# Altium PCB 86型ZigBee智能插座板.PcbDoc
Units mm, origin at the board's own origin, x right, y up, seen from the top; angles counter-clockwise.
Board outline 56.21 x 60.21 mm, 2 copper layers (Top Layer, Bottom Layer); 34 components, 29 nets, 121 pads, 103 vias.
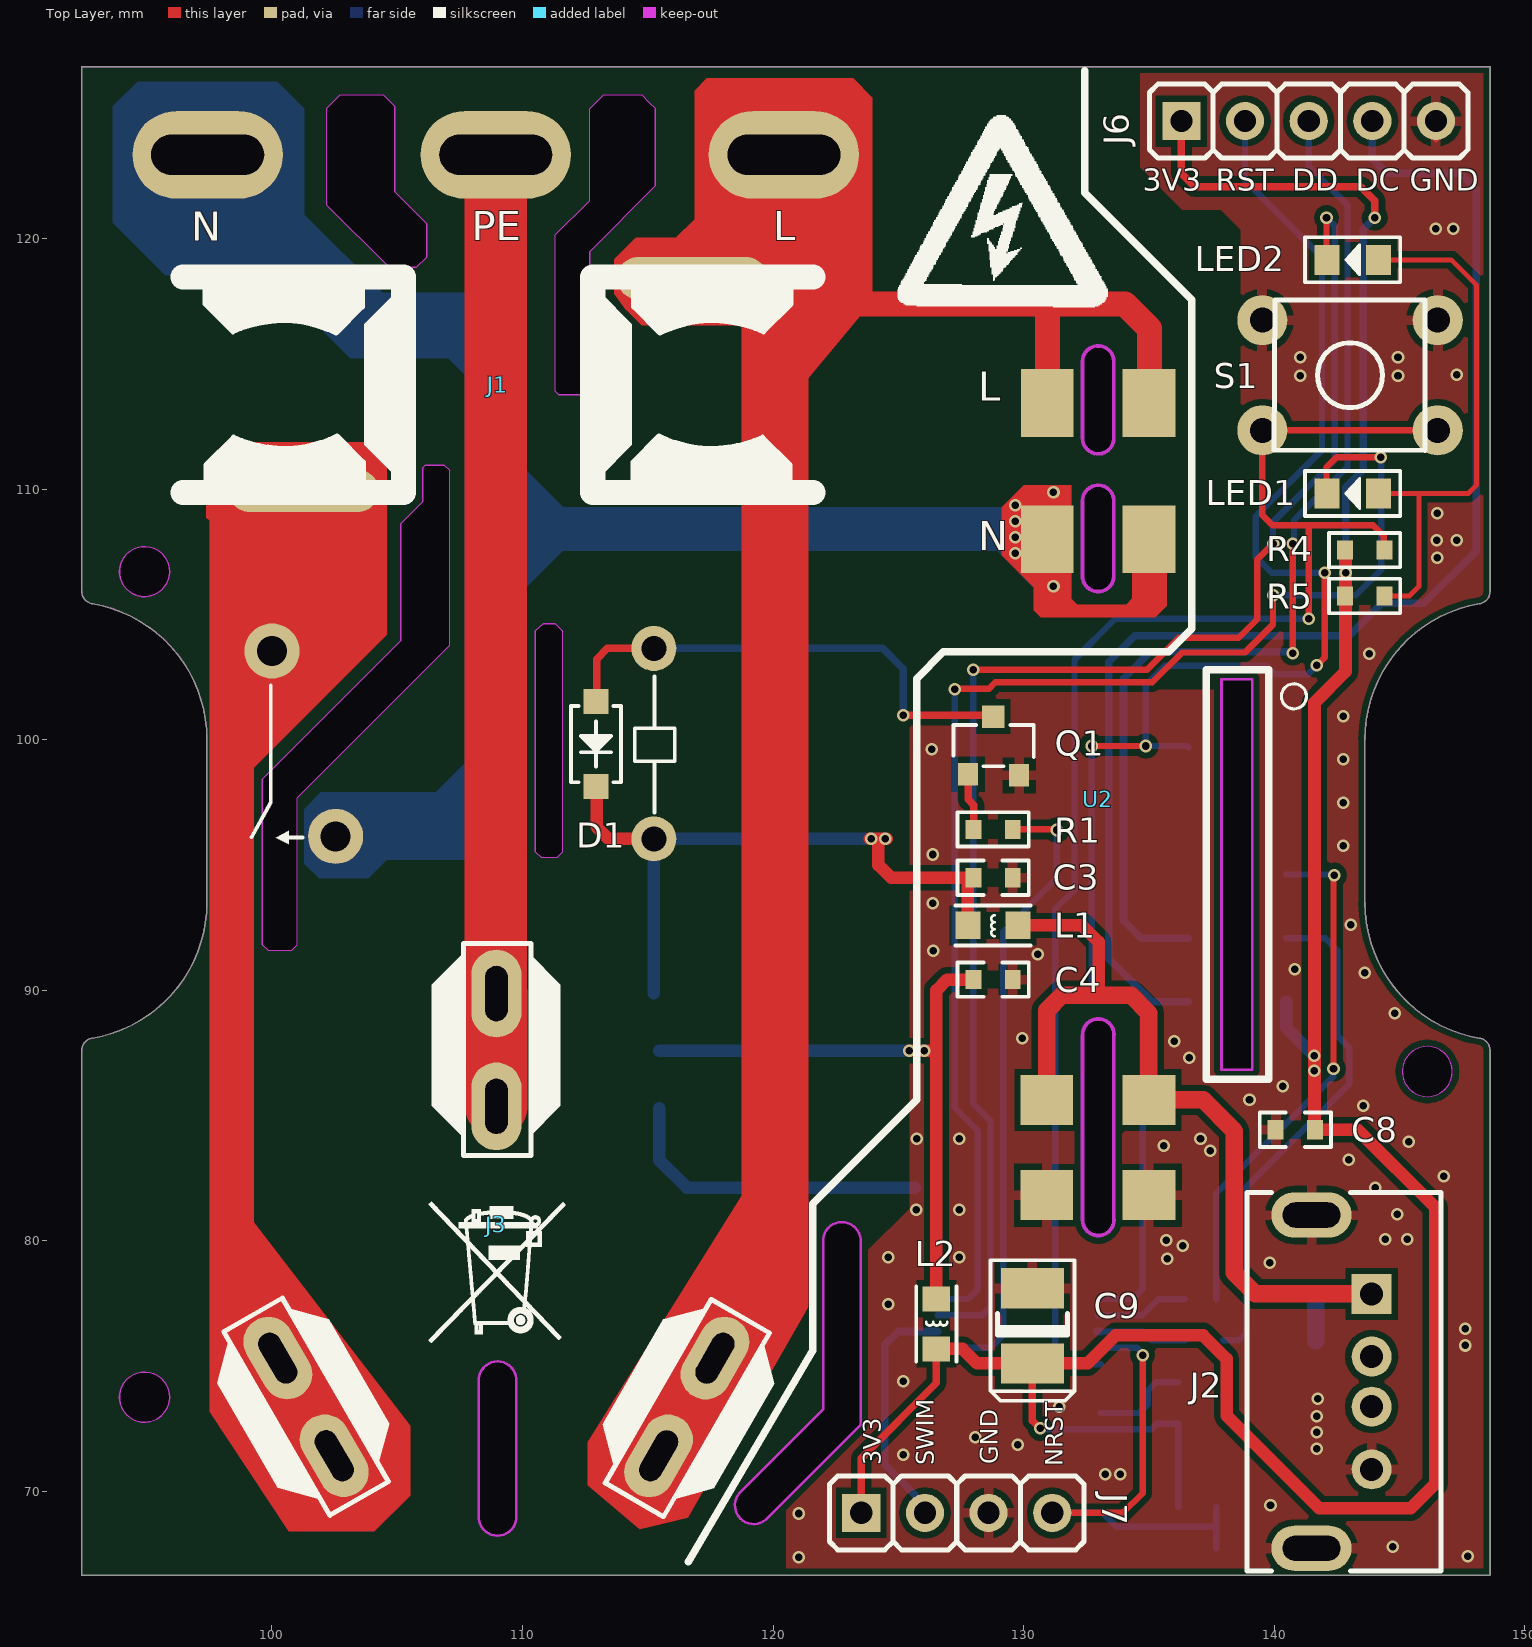
[diagram p0: Top Layer view]
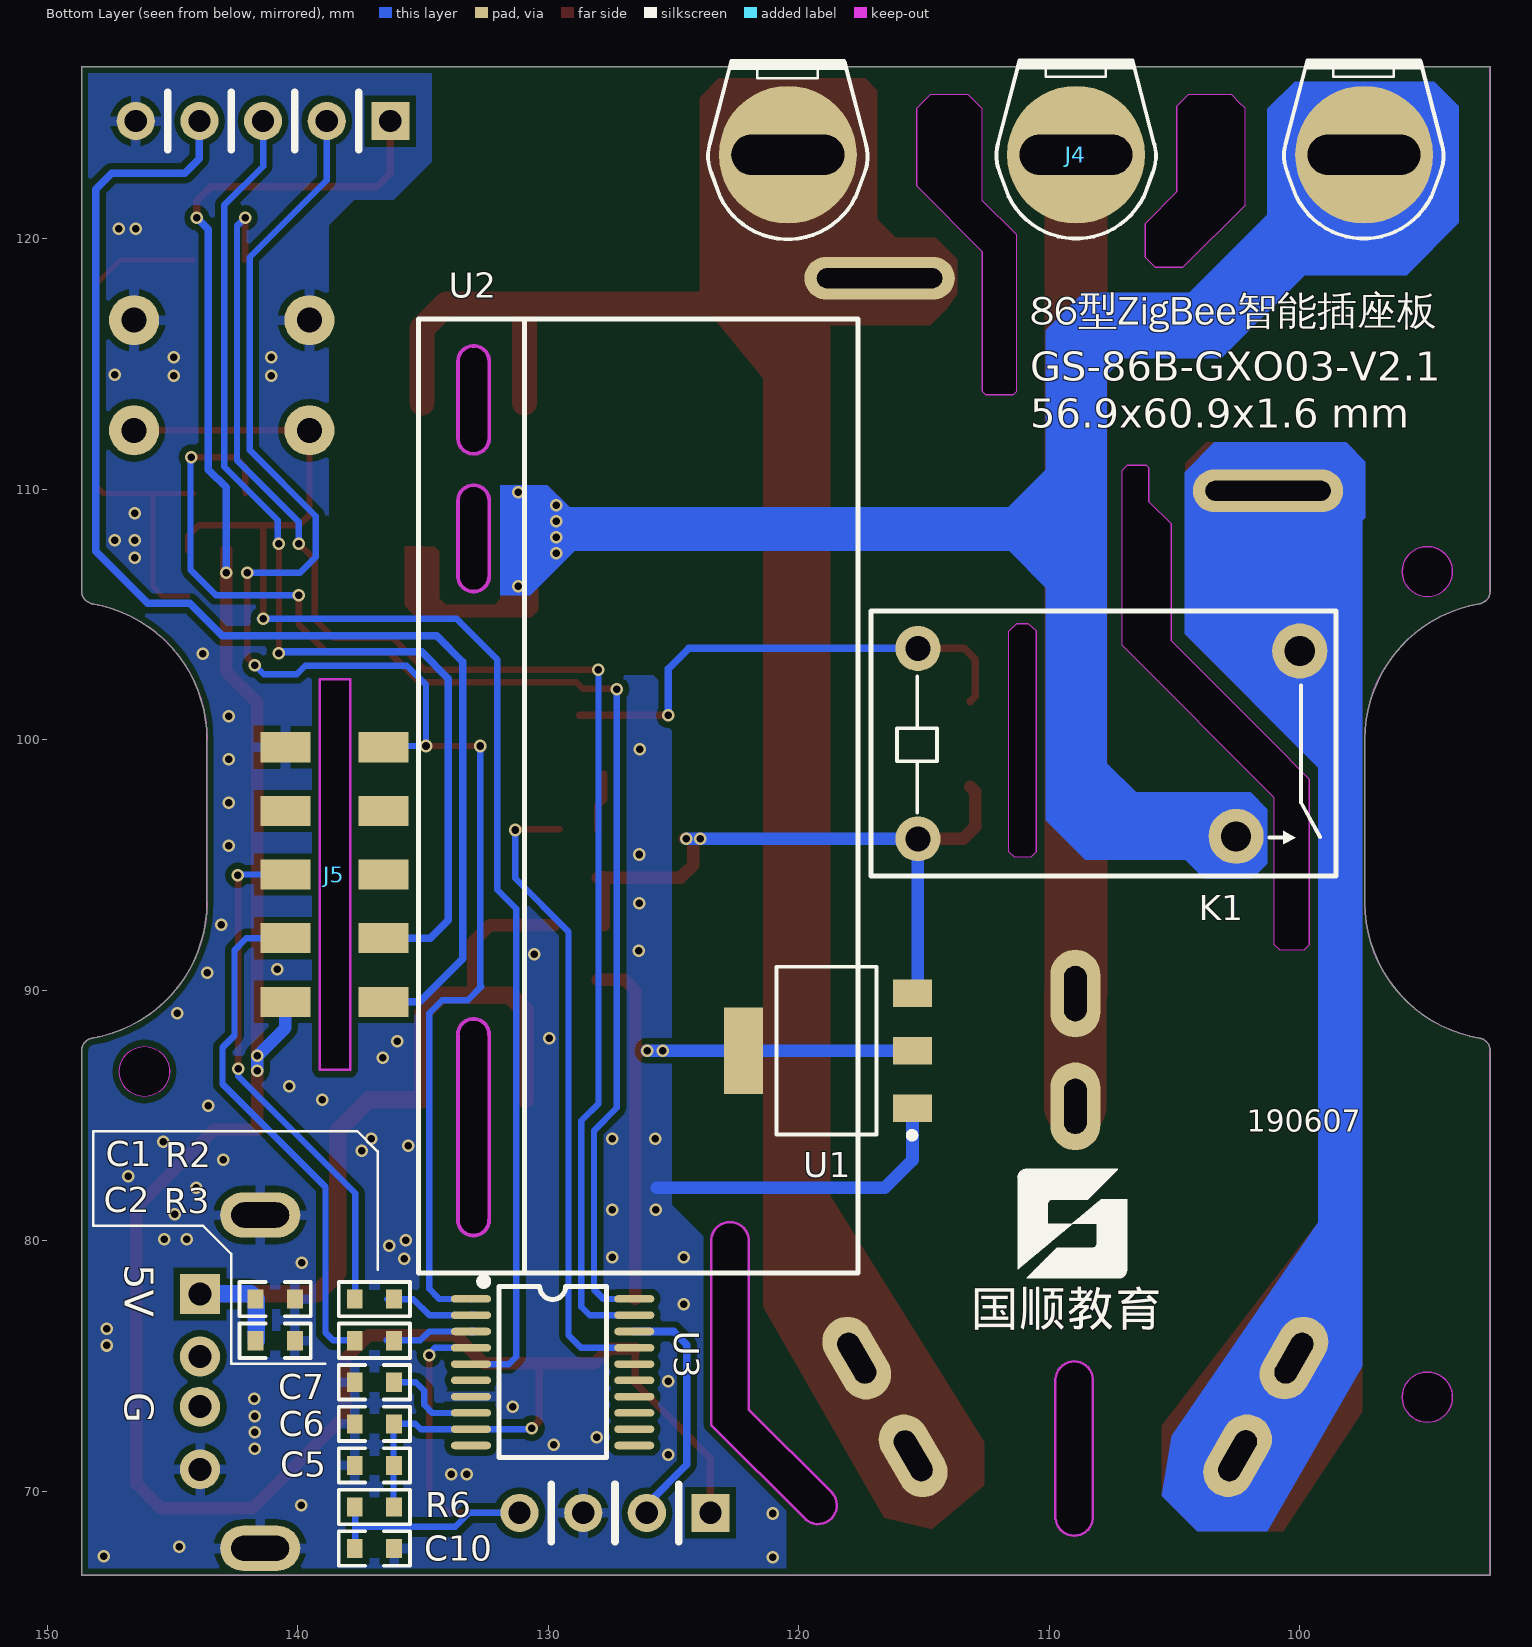
[diagram p1: Bottom Layer view, seen from below]

## Layer stack, top to bottom
Top Solder: solder mask 0.0102, Solder Resist, Dk 3.5
Top Layer: signal copper 0.0356
Dielectric1: dielectric 0.32, FR-4, Dk 4.8
Bottom Layer: signal copper 0.0356
Bottom Solder: solder mask 0.0102, Solder Resist, Dk 3.5

## Board outline
92.41,66.648 cw(c92.41,66.655) 92.404,66.655 92.404,87.589 cw(c92.91,87.589) 92.826,88.088 ccw(c91.91,93.505) 97.404,93.505 97.404,100.005 ccw(c91.91,100.005) 92.826,105.421 cw(c92.91,105.921) 92.826,105.421 cw(c92.91,105.921) 92.404,105.921 92.404,126.855 cw(c92.41,126.855) 92.41,126.861 148.61,126.861 cw(c148.61,126.855) 148.617,126.855 148.617,105.921 cw(c148.61,105.921) 148.617,105.921 ccw(c148.11,105.921) 148.617,105.921 cw(c148.11,105.921) 148.195,105.421 cw(c148.11,105.921) 148.195,105.421 ccw(c148.194,105.428) 148.195,105.421 ccw(c149.11,100.005) 143.617,100.005 143.617,93.505 ccw(c149.11,93.505) 148.195,88.088 cw(c148.11,87.589) 148.617,87.589 cw(c148.61,87.589) 148.617,87.589 148.617,66.655 cw(c148.61,66.655) 148.61,66.648
cut-out: 118.653,69.928 ccw(c119.228,69.444) 119.709,68.867 123.491,72.649 123.491,80.057 ccw(c122.743,79.994) 121.994,80.061 121.994,73.269
cut-out: 108.253,68.914 108.253,74.498 cw(c109.001,74.431) 109.75,74.495 109.75,68.91 cw(c109.001,68.977)
cut-out: 132.325,112.014 ccw(c132.975,112.014) 133.625,112.014 133.625,115.083 133.625,115.081 ccw(c132.975,115.081) 132.325,115.081 132.325,115.083
cut-out: 132.325,80.823 ccw(c132.975,80.823) 133.625,80.823 133.625,88.235 ccw(c132.975,88.235) 132.325,88.235
cut-out: 132.325,106.528 ccw(c132.975,106.528) 133.625,106.528 133.625,109.545 ccw(c132.975,109.545) 132.325,109.545
cut-out: 94.91,105.704 cw(c94.91,106.704) 93.91,106.704 cw(c94.91,106.704) 94.91,107.704 cw(c94.91,106.704) 95.91,106.704 cw(c94.91,106.704)
cut-out: 94.91,72.755 cw(c94.91,73.755) 93.91,73.755 cw(c94.91,73.755) 94.91,74.755 cw(c94.91,73.755) 95.91,73.755 cw(c94.91,73.755)
cut-out: 145.11,86.755 ccw(c146.11,86.755) 146.11,85.755 ccw(c146.11,86.755) 147.11,86.755 ccw(c146.11,86.755) 146.11,87.755 ccw(c146.11,86.755)
cut-out: 111.442,113.767 111.303,113.906 111.303,120.142 112.674,121.514 112.674,125.171 113.233,125.73 114.757,125.73 115.062,125.425 115.291,125.197 115.291,122.098 112.674,119.482 112.674,113.906 112.535,113.767
cut-out: 99.619,91.821 99.847,91.592 100.787,91.592 101.016,91.821 101.016,97.688 107.086,103.759 107.086,110.744 106.883,110.947 106.121,110.947 106.02,110.846 106.02,109.499 105.131,108.61 105.131,103.937 101.168,99.974 99.619,98.425
cut-out: 110.515,95.529 110.744,95.301 111.379,95.301 111.608,95.529 111.608,104.318 111.303,104.623 110.836,104.623 110.515,104.345
cut-out: 102.184,121.336 102.184,125.197 102.413,125.425 102.718,125.73 104.445,125.73 104.902,125.273 104.902,121.869 106.172,120.599 106.172,119.253 105.766,118.847 104.673,118.847
cut-out: 137.897,86.815 137.897,102.438 139.116,102.438 139.116,86.815

## Design rules (kind name [scope] priority, off if disabled: settings)
Clearance [All] p1: gap=0.254 ignorepadtopadclearanceinfootprint=FALSE except(0: Arc-Hole Track-Hole SMDPad-Hole THPad-Hole Via-Hole Fill-Hole Poly-Hole Region-Hole Text-Hole)
PolygonConnect PolygonConnect_1 [isvia] p1: connectstyle=Direct reliefconductorwidth=0.254 reliefentries=4 polygonreliefangle="90 Angle" airgapwidth=0.254
PolygonConnect [All] p2: connectstyle=Relief reliefconductorwidth=0.4 reliefentries=4 polygonreliefangle="90 Angle" airgapwidth=0.254
RoutingVias [All] p1: holewidth=0.711 width=1.27 viastyle="Through Hole" minholewidth=0.711 minwidth=1.27 maxholewidth=0.711 maxwidth=1.27
SolderMaskExpansion [All] p1: expansion=0.102
Width [All] p1: maxlimit=3 minlimit=0.2 preferedwidth=0.254
30 further rules are at their usual default settings.

## Components (designator, comment, footprint, x,y, rotation, side; value= is the part's Value field where it differs from the comment)
C1 "10uF" C0603 140.894,77.667 r180 bottom
C2 "100nF/50V" C0603 140.894,76.009 r180 bottom
C3 "10uF" C0603 128.778,94.488 r0 top
C4 "100nF/50V" C0603 128.778,90.424 r0 top
C5 "1uF" C0603 136.931,71.033 r180 bottom
C6 "100nF/50V" C0603 136.931,72.692 r0 bottom
C7 "1uF" C0603 136.931,74.35 r0 bottom
C8 "10nF" C0603 140.843,84.43 r0 top
C9 "10uF/25V" TC3528X21B 130.353,76.606 r90 top
C10 "10nF" C0603 136.931,67.716 r0 bottom
D1 "1N4007(A7)" SOD-123FL 112.928,99.822 r90 top
J1 "220V" "JACK-2 LINE" 109.017,114.173 r0 top locked
J2 "USB" "USB-F-TYPE A" 143.891,77.876 r270 top
J3 "220V" "JACK-3 LINE" 108.957,80.64 r0 top locked
J4 "PILLAR-3P-11.5-(6.5*4.5*8+G4.2*1.5*2)" PILLAR-3P-11.5-(6.5*4.5*8+G4.2*1.5*2) 120.432,123.342 r180 bottom locked
J5 "EDGE 10P-2.54/1.0-F" "EDGE 10P-2.54/1.0-F" 140.487,99.695 r0 top
J6 "HDRM-1*5-2.54-AK" HDRM-1*5-2.54-AK1 136.296,124.689 r0 top
J7 "HDRM-1*4-2.54-AK" HDRM-1*4-2.54-AK1 123.52,69.139 r0 top
K1 "HRS3FNH-S-DC5V-A" RELAY_HRS3FNH-S-DCXV-A 115.24,96.039 r180 bottom
L1 "742792042" L0805 128.778,92.583 r180 top
L2 "742792042" L0805 126.517,76.683 r270 top
LED1 "蓝色" LED0805-B1 143.129,109.825 r0 top
LED2 "红色" LED0805-R1 143.129,119.151 r0 top
Q1 "8050(J3Y),SOT23" SOT23 128.803,99.746 r270 top
R1 "1K" R0603 128.778,96.418 r0 top
R2 "1K" R0603 136.931,77.667 r180 bottom
R3 "1K" R0603 136.931,76.009 r180 bottom
R4 "300Ω" R0603 143.612,105.734 r180 top
R5 "10K" R0603 143.612,107.563 r0 top
R6 "10K" R0603 136.931,69.375 r0 bottom
S1 "6X6X13.5,白" SW2-6.0X6.0X13.5-W 143.026,114.543 r180 top locked
U1 "AMS1117-3.3V" SOT-223 118.828,87.586 r90 bottom
U2 "5V2A" MODULE_RPD10W 135.001,113.436 r180 bottom locked
U3 "STM8S103F3P6" TSSOP20-0.65/4.4 129.819,74.752 r270 bottom

## Footprints (in the part's own frame and the unit in brackets; to place one, negate y for a bottom-side part, rotate by r counter-clockwise, add the part's x,y. Pads: shape width x height; smd on the part's side, far side on the other; paste and mask are expansions set on the pad)
C0603 [mil] "Chip Capacitor, Body 60x30mil"
  rect 25x30 smd: 1(-31,0) 2(31,0)
  Top Layer pour cut-out: -16.73,14.76 -16.73,-14.76 16.73,-14.76 16.73,14.76
  silkscreen extent -56,-27 56,27, body extent -31,-16 31,15, height 31
"EDGE 10P-2.54/1.0-F" [mm] "金手指PCB焊接位"
  rect 2x1.2 smd far side: 1A(0,0) 1B(-3.912,0) 2A(0,-2.54) 2B(-3.912,-2.54) 3A(0,-5.08) 3B(-3.912,-5.08) 4A(0,-7.62) 4B(-3.912,-7.62) 5A(0,-10.16) 5B(-3.912,-10.16)
  Keep-Out Layer lines w0.1: -2.591,-12.88 -1.372,-12.88 -1.372,2.72 -2.591,2.72 -2.591,-12.88
  silkscreen extent -3.2,-13.26 0.8,3.1
HDRM-1*4-2.54-AK1 [mil]
  rect 60x60 hole 35: 1(0,0)
  round 60 hole 35: 2(100,0) 3(200,0) 4(300,0)
  silkscreen extent -50,-58 350,58, body extent -50,-52 350,48, height 333
HDRM-1*5-2.54-AK1 [mil]
  rect 60x60 hole 35: 1(0,0)
  round 60 hole 35: 2(100,0) 3(200,0) 4(300,0) 5(400,0)
  silkscreen extent -50,-58 450,58, body extent -49,-49 451,51, height 336
"JACK-2 LINE" [mm]
  oval 6x1.7 hole 5 slot 0.8 at 90 deg: 1(-7.752,-4.242) 2(7.752,4.242)
  silkscreen extent -12.57,-4.32 12.58,4.3, body extent -13.18,-4.47 13.28,4.53, height 10.51
"JACK-3 LINE" [mm]
  oval 2x3.5 hole 2.2 slot 0.9 at 0 deg: 1(0,4.725) 1(0,9.225)
  oval 2x3.5 hole 2.2 slot 0.9 at 150 deg rot 150: 2(6.474,-9.225) 2(8.724,-5.328)
  oval 2x3.5 hole 2.2 slot 0.9 at 30 deg rot 30: 3(-8.724,-5.325) 3(-6.474,-9.222)
  silkscreen extent -11.14,-11.65 11.1,11.23, body extent -12.06,-12.29 12.11,11.26, height 13
L0805 [mm]
  rect 1x1.1 smd: 1(-1,0) 2(1,0)
  Top Layer pour cut-out: -0.505,0.546 -0.505,-0.546 0.486,-0.546 0.486,0.546
  silkscreen extent -1.5,-0.8 1.5,0.8, body extent -1,-0.6 1,0.6, height 0.9
LED0805-B1 [mm] "蓝色"
  rect 1x1.2 smd: 1(1.025,0) 2(-1.025,0)
  Top Layer pour cut-out: 0.432,-0.711 -0.432,-0.711 -0.432,0.711 0.432,0.711
  silkscreen extent -1.9,-0.9 1.9,0.9, body extent -1.01,-0.62 1.01,0.63, height 1.1
LED0805-R1 [mm] "红色"
  rect 1x1.2 smd: 1(1.025,0) 2(-1.025,0)
  Top Layer pour cut-out: 0.432,-0.711 -0.432,-0.711 -0.432,0.711 0.432,0.711
  silkscreen extent -1.9,-0.9 1.9,0.9, body extent -1.01,-0.62 1.01,0.63, height 1.1
MODULE_RPD10W [mm] "隔离稳压电源模块"
  rect 2.1x2.7 smd far side: 1(0,0) 1(4.054,0) 2(0,-5.44) 2(4.054,-5.44)
  rect 2.1x2 smd far side: 3(0,-27.818) 3(4.08,-27.818) 4(0,-31.618) 4(4.08,-31.618)
  Keep-Out Layer lines w0.15: 2.651,-32.606 2.651,-25.231 ; 2.651,-6.994 2.651,-3.942 ; 2.651,-6.906 cw(c2.026,-6.906) 1.401,-6.906 ; 2.651,-3.906 ccw(c2.026,-3.906) 1.401,-3.906 ; 2.651,-1.406 cw(c2.026,-1.406) 1.401,-1.406 ; 2.651,-1.402 2.651,1.656 ccw(c2.026,1.656) 1.401,1.656 1.401,-1.402 ; 2.646,-32.606 cw(c2.021,-32.606) 1.396,-32.606 ; 2.646,-25.206 ccw(c2.021,-25.206) 1.396,-25.206 ; 1.401,-32.606 1.401,-25.231 ; 1.401,-6.966 1.401,-3.916
  silkscreen extent -0.18,-34.73 17.37,3.35, body extent 1.38,-34.5 17.03,3, height 18.25
PILLAR-3P-11.5-(6.5*4.5*8+G4.2*1.5*2) [mm]
  round 5.5 / inner oval 6x3.5 / far side oval 6x3.5 hole 4.5 slot 1.6 at 90 deg: 1(0,0) 2(11.5,0) 3(23,0)
  silkscreen extent -3.18,-3.37 26.17,3.8, body extent -2.83,-3.14 25.76,7.24, height 8.41
R0603 [mil]
  rect 25x30 smd: 1(-31,0) 2(31,0)
  Top Layer pour cut-out: -16.73,14.76 -16.73,-14.76 16.73,-14.76 16.73,14.76
  silkscreen extent -56,-27 56,27, body extent -32,-16 34,16, height 22
RELAY_HRS3FNH-S-DCXV-A [mm]
  round 1.8 hole 1: 1(0,7.6) 2(0,0)
  round 2.2 hole 1.2: 3(12.7,0.1) 4(15.24,7.5)
  silkscreen extent -1.88,-1.47 16.69,9.09, body extent -1.7,-1.22 16.5,8.98, height 15.5
SOD-123FL [mm]
  rect 1x1 smd: 1(1.7,0) 2(-1.7,0)
  Top Layer pour cut-out: 1.025,-0.525 -1.037,-0.525 -1.037,0.525 1.025,0.525
  silkscreen extent -1.52,-1 1.52,1, body extent -1.79,-0.82 1.79,0.83, height 0.95
SOT23 [mm]
  rect 0.9x0.8 smd: 1(1.131,-1.019) 2(1.173,1.019)
  rect 0.9x0.9 smd: 3(-1.173,-0.019)
  silkscreen extent -0.84,-1.6 0.81,1.6, body extent -1.17,-1.46 1.17,1.46, height 1
SOT-223 [mm]
  rect 1.1x1.55 smd: 1(-2.3,-3.375) 2(0,-3.375) 3(2.3,-3.375)
  rect 3.45x1.55 smd: 4(0,3.375)
  Top Layer pour cut-out: 0.584,-2.603 0.584,-4.115 1.727,-4.115 1.727,-2.603
  Top Layer pour cut-out: -1.727,-2.603 -1.727,-4.115 -0.584,-4.115 -0.584,-2.603
  silkscreen extent -3.5,-3.48 3.35,2.06, body extent -3.22,-3.57 3.28,3.36, height 1.59
SW2-6.0X6.0X13.5-W [mm] "6X6mm按键,白色"
  round 2 hole 1: 1(-3.5,2.2) 2(-3.5,-2.2) 3(3.5,2.2) 4(3.5,-2.2)
  silkscreen extent -3,-3 3.03,3, body extent -3.91,-3 3.91,2.99, height 14
TC3528X21B [mm] "Chip Capacitor, Body 3.5x2.8mm, IPC High Density"
  rect 1.6x2.5 smd: 1(-1.499,0) 2(1.499,0)
  Top Layer pour cut-out: -0.66,1.245 -0.66,-1.245 0.66,-1.245 0.66,1.245
  silkscreen extent -3,-1.68 2.62,1.68, body extent -1.79,-1.38 1.71,1.42, height 1.9
TSSOP20-0.65/4.4 [mm] "Shrink Small Outline; 20 Leads; Body Width 4.4 mm; Pitch 0.6"
  oval 0.3x1.6 smd: 1(-2.925,-3.258) 2(-2.275,-3.258) 3(-1.625,-3.258) 4(-0.975,-3.258) 5(-0.325,-3.258) 6(0.325,-3.258) 7(0.975,-3.258) 8(1.625,-3.258) 9(2.275,-3.258) 10(2.925,-3.258) 11(2.925,3.258) 12(2.275,3.258) 13(1.625,3.258) 14(0.975,3.258) 15(0.325,3.258) 16(-0.325,3.258) 17(-0.975,3.258) 18(-1.625,3.258) 19(-2.275,3.258) 20(-2.925,3.258)
  silkscreen extent -3.77,-2.9 3.4,2.15, body extent -3.3,-3.33 3.3,3.27, height 1.2
"USB-F-TYPE A" [mm]
  rect 1.6x1.6 hole 0.92: 1(0,0)
  round 1.6 hole 0.92: 2(2.5,0) 3(4.5,0) 4(7,0)
  oval 1.8x3.2 hole 2.3 slot 1 at 0 deg: 5(-3.15,-2.4) 6(10.15,-2.4)
  silkscreen extent -4.05,-4.98 11.05,2.77, body extent -4,-4.88 11.01,2.62, height 15.3

## Part data
C1 C3: library part 10uF_16V_0603, "Capacitor", 物料名称=贴片电容, 编码=无, 规格/型号=10uF,16V,0603
C2 C4 C6: library part 100nF_50V_0603, "Capacitor", 物料名称=贴片电容, 编码=无, 规格/型号=100nF,50V,0603
C5 C7: library part 1uF_25V_X7R_0603, "Capacitor", 物料名称=贴片电容, 编码=无, 规格/型号=1uF,25V,X7R,0603
C8 C10: library part 10nF_16V_0603, "Capacitor", 物料名称=贴片电容, 编码=无, 规格/型号=10nF,16V,0603
C9: library part CAPC-10uF/25V_3528B, "钽电容,10uF/25V-3528B", 物料名称=贴片钽电容, 编码=1010202012, 规格/型号=钽电容,10uF,25V,3528,B型
D1: library part 1N4007(A7)_SOD-123FL, "1N4007(A7),1A/1000V,SOD-123FL", 供应商=https://detail.tmall.com/item.htm?spm=a230r.1.14.56.29245539I1zJLh&id=553688496024&ns=1&abbucket=2, 单价=0.02, 参数=电流1A, 物料名称=贴片二极管, 规格/型号=1N4007,标字A7,1A,1000V,SOD-123FL
J1: library part "JACK-2 Line", "PCB板电源插口", 物料名称=电源接口
J2: library part USB-AF-17.5, "USB-TYPE A 母座", 供应商=https://item.taobao.com/item.htm?spm=a1z0d.7625083.1998302264.6.5c5f4e69BrYJYq&id=571323512490, 单价=0.13, 物料名称=USB接口, 规格/型号=USB母座,AF,180立式,平口,直插直针,高17.5
J3: library part "JACK-3 Line", "PCB板电源插口", 物料名称=电源接口
J4: "铜柱接口", 物料名称=铜柱接口, 规格/型号=铜柱接线柱
J5: "金手指PCB焊接位"
J6 J7: "排针,直", 物料名称=排针
  J6: 规格/型号=排针,间距2.54,1*5P,180°直插
  J7: 规格/型号=排针,间距2.54,1*4P,180°直插
K1: library part RLY_HRS3FNH-S-DC5V-A, "汇港,HRS3FNH-S-DC5V-A,5V,4脚,容量10A,线圈功率0.45W"
L1: library part BEAD-742792042_0805, "磁珠,WE-CBF,600@100M, / 500Ohm,200mA,0805,742792042", 单价=0.04, 品牌=WE, 物料名称=贴片磁珠, 规格/型号=WE-CBF,磁珠,600@100M，500Ohm,200mA,0805,742792042
L2: library part BEAD-742792042_0805, "WE-CBF,600@100M,500Ohm,200mA,0805,742792042", 单价=0.04, 品牌=WE, 物料名称=贴片磁珠, 规格/型号=WE-CBF,磁珠,600@100M，500Ohm,200mA,0805,742792042
LED1: library part LED-蓝_0805, "0805 LED", 物料名称=贴片发光二极管, 编码=1010302003, 规格/型号=0805,蓝色
LED2: library part LED-红_0805, "0805 LED", 物料名称=贴片发光二极管, 编码=1010302001, 规格/型号=0805,红色
Q1: library part NPN_8050(J3Y)_SOT23, "NPN,8050,SOT23"
R1: library part 10K_5%_0603, "1K,±5%,0603", 单价=0.02, 物料名称=贴片电阻, 规格/型号=1K,±5%,0603
R2 R3: library part 1K_5%_0603, "1K,±5%,0603", 单价=0.02, 参数=±5%, 物料名称=贴片电阻, 编码=1010101190, 规格/型号=1K,±5%,0603
R4: library part 300Ω_5%_0603, "300Ω,±5%,0603", 单价=0.02, 物料名称=贴片电阻, 规格/型号=300Ω,±5%,0603
R5 R6: library part 10K_5%_0603, "10K,±5%,0603", 单价=0.02, 物料名称=贴片电阻, 规格/型号=10K,±5%,0603
S1: library part SW-PB_6X6X13.5-4P-W, "6X6X13.5,白,插针", 供应商=https://item.taobao.com/item.htm?spm=a1z10.5-c.w4002-4906752333.24.4c8f076fOxczlX&id=36743938063, 物料名称=插针式轻触开关, 编码=无, 规格/型号=轻触开关,6*6*13.5mm,4PIN,白色,插针
U1: library part AMS1117-3.3V_SOT223, "三端稳压器", 单价=0.18, 物料名称=贴片芯片, 编码=1010402018, 规格/型号=AMS1117-3.3,SOT-223
U2: library part Module_RPD10W05E202S, "AC/DC模块"
U3: library part STM8S103F3P6_TSSOP20, "STM8 ARM-based 32-bit MCU with 8 Kbytes Flash, 20-pin TSSOP, Industrial Temperature", 物料名称=贴片芯片, 规格/型号=STM8S103F3P6,TSSOP20

## Via types
v1: diameter 0.5, hole 0.3, Top Layer to Bottom Layer, tented both sides, 103 vias

## Nets (pads, with @x,y where several pads share a name; then routed paths per layer and width w, separated by ;. In a path a pad name is that pad's centre, name@x,y a point inside that pad or via, vN(x,y) a via of type N, cw(c..) or ccw(c..) an arc to the next point about the centre after c; other vN are vias at no path point)
+3V3: C5.2 C6.1 C8.2 C9.1 J5.5A J6.1 J7.1 L2.2 R4.2 R5.1 R6.1 U3.9 | length 114.2
  Top Layer w0.3: J7.1 123.52,71.325 126.517,74.322 L2.2 ; C9.1 130.353,72.822 v1(130.658,72.517) ; J6.1 136.296,122.606 136.83,122.072 143.459,122.072 144.018,121.514 v1(144.018,120.828)
  Top Layer w0.5: L2.2 127.568,75.683 128.143,75.108 C9.1 132.553,75.108 133.67,76.225 137.16,76.225 138.1,75.286 138.1,73.025 141.808,69.317 145.44,69.317 146.431,70.307 146.431,81.331 143.332,84.43 C8.2 C8.2@141.605,84.43
  Top Layer w0.508: C8.2@141.605,84.43 v1(141.605,86.792) v1(141.605,87.376) 141.605,101.473 142.85,102.718 v1(142.85,106.655) R5.1@142.85,107.563
  Bottom Layer w0.254: v1@130.658,72.477 U3.9 135.088,72.477 135.303,72.692 C6.1 136.169,72.692 R6.1@136.169,69.375
  Bottom Layer w0.3: v1(142.85,106.655) 142.85,110.069 143.561,110.78 143.561,120.371 v1(144.018,120.828)
  Bottom Layer w0.5: J5.5A 140.487,88.494 v1(141.605,87.376) v1(141.605,86.792)
+5V: C3.1 D1.2 K1.2 L1.2 U1.3 | length 27.2
  Top Layer w0.5: D1.2@113.157,98.122 112.954,97.919 112.954,96.52 113.435,96.039 K1.2 ; v1@123.85,96.039 v1(123.927,96.039) 124.206,96.039 ; v1@124.536,96.039 v1(124.485,96.039) 124.206,96.039 ; L1.2 C3.1@127.778,94.488 ; C3.1@127.778,94.513 C3.1@127.778,94.488 ; C3.1@128.016,94.488 C3.1 C3.1@127.778,94.488 ; 124.206,96.039 124.206,94.996 124.714,94.488 C3.1@127.778,94.488
  Bottom Layer w0.5: U1.3@115.24,89.886 K1.2 v1(123.927,96.039) v1(124.485,96.039)
GND: C1.2 C2.2 C3.2 C4.2 C5.1 C6.2 C7.2 C8.1 C9.2 C10.1 J2.4 J2.5 J2.6 J5.1A J6.5 J7.3 Q1.2 S1.2 S1.4 U1.1 U2.4 U3.7 | length 13.1
  Top Layer w0.2: 146.456,123.927 J6.5@146.456,124.181
  Bottom Layer w0.5: J2.4 J2.4@144.018,70.876
  Bottom Layer w0.508: U1.1 115.453,83.226 116.561,82.118 125.654,82.118
  other v1: 121.031,67.361 147.726,67.412 144.729,67.793 121.031,69.113 139.852,69.444 133.248,70.688 133.858,70.688 125.197,71.45 141.707,71.704 129.769,71.857 128.067,72.152 141.707,72.35 141.707,73 131.42,73.381 141.732,73.685 125.197,74.397 147.625,75.819 147.625,76.479 124.587,77.467 139.827,79.121 135.738,79.273 124.587,79.35 127.432,79.35 136.347,79.807 135.687,80.018 144.425,80.057 145.316,80.057 144.907,81.051 125.705,81.229 127.432,81.229 144.037,82.118 146.761,82.575 142.97,83.236 137.439,83.591 135.585,83.795 145.364,83.947 125.73,84.074 127.432,84.074 137.058,84.074 143.561,85.395 139.014,85.619 140.335,86.157 136.601,87.3 136.017,87.96 129.946,88.087 144.805,89.078 143.612,90.703 140.818,90.83 130.556,91.44 126.39,91.567 143.053,92.608 126.365,93.472 126.365,95.415 142.748,95.758 142.748,97.485 142.748,99.212 126.34,99.619 142.748,100.94 143.789,103.429 146.507,107.264 146.493,107.95 147.295,107.95 146.507,109.042 141.046,114.529 144.941,114.529 147.295,114.554 141.046,115.265 144.941,115.265 146.456,120.396 147.142,120.396
LED-B: LED1.2 U3.20 | length 53.5
  Top Layer w0.2: LED1.2@142.083,109.804 LED1.2
  Top Layer w0.254: v1@127.254,102.032 128.618,102.032 128.872,102.286 135.135,102.286 136.329,103.48 138.836,103.48 139.954,104.597 v1(139.954,105.766) ; LED1.2@142.088,109.957 142.088,110.871 142.494,111.277 v1(144.247,111.277)
  Bottom Layer w0.254: U3.20 127.791,77.677 128.168,78.054 128.168,84.394 127.254,85.308 v1(127.254,102.007) ; v1(139.954,105.766) 143.256,105.766 144.272,106.782 v1@144.272,111.277
LED-R: LED2.2 U3.19 | length 59.3
  Top Layer w0.254: v1(127.991,102.794) 134.925,102.794 136.195,104.064 138.582,104.064 139.319,104.8 139.319,107.188 v1(139.954,107.823) ; v1(142.088,120.828) 142.088,119.168 LED2.2
  Bottom Layer w0.254: U3.19 128.335,77.027 128.676,77.368 128.676,84.785 127.991,85.471 v1(127.991,102.794) ; v1(139.954,107.823) 139.954,108.687 142.418,111.15 142.418,120.498 v1(142.088,120.828)
NetC1_1: C1.1 C2.1 J2.1 L1.1 U2.3 | length 36.7
  Top Layer w0.5: L1.1 132.334,92.583 132.994,91.923 132.994,89.789
  Top Layer w0.7: U2.3@130.921,85.619 130.921,89.189 131.521,89.789 132.994,89.789 134.293,89.789 135.001,89.08 135.001,85.619 137.165,85.619 138.405,84.379 138.405,78.715 139.243,77.876 J2.1
  Bottom Layer w0.7: C2.1@141.656,76.009 141.656,77.667 141.865,77.876 J2.1
NetC4_1: C4.1 L2.1 U1.2 U1.4 | length 25.7
  Top Layer w0.5: v1(125.425,87.586) v1@126.035,87.586 ; v1(126.035,87.579) 126.517,87.579 ; L2.1 126.517,87.579 ; C4.1@128.016,90.424 126.949,90.424 126.517,89.992 126.517,87.579
  Bottom Layer w0.5: U1.2 123.981,87.586 v1(125.425,87.586) v1@126.056,87.586
NetC7_1: C7.1 U3.8 | length 3.9
  Bottom Layer w0.254: U3.8 134.621,73.127 134.95,73.457 134.95,74.016 135.285,74.35 C7.1@136.169,74.35
NetD1_1: D1.1 K1.1 Q1.3 | length 19.9
  Top Layer w0.3: D1.1@113.157,101.522 112.954,101.725 112.954,103.207 113.386,103.639 K1.1 ; v1(125.197,100.965) Q1.3@128.738,100.965
  Bottom Layer w0.3: K1.1 124.377,103.639 125.197,102.819 v1(125.197,100.965)
NetJ1_1: J1.1 J3.3 K1.4 | length 2.6
  Top Layer w1: J1.1@100.065,109.681 101.652,109.681 J1.1@102.663,109.681
NetJ1_2: J1.2 J3.2 J4.1 U2.1 | length 22.6
  Top Layer w1: 120.432,119.09 122.199,117.323 ; 122.199,117.383 130.947,117.383 ; U2.1@130.947,113.436 130.947,117.383 ; U2.1@135.026,113.436 135.026,116.408 134.052,117.383 130.947,117.383
NetJ3_1: J3.1 J4.2 | length 38
  Top Layer w2.5: J3.1@108.932,89.891 J4.2 ; J3.1@108.957,85.365 J3.1@108.957,89.865
NetJ4_3: J4.3 K1.3 U2.2
  other v1: 131.191,106.128 129.667,107.442 129.667,108.077 129.667,108.712 129.667,109.347 131.191,109.87
NetLED1_1: LED1.1 LED2.1 R4.1 | length 21.6
  Top Layer w0.2: LED1.1 147.747,109.825 148.082,110.16 148.082,118.135 147.066,119.151 LED2.1 ; R4.1@144.374,105.734 R4.1 145.396,105.734 145.771,106.109 145.771,109.779
NetQ1_1: Q1.1 R1.1 | length 2.3
  Top Layer w0.3: Q1.1 127.784,97.615 128.016,97.384 R1.1@128.016,96.418
NRST: C10.2 J7.4 R6.2 U3.4 | length 19.7
  Top Layer w0.254: J7.4 133.96,69.139 134.748,69.927 v1(134.748,75.438)
  Bottom Layer w0.254: J7.4 133.147,69.139 133.706,68.58 137.693,68.58 ; U3.4 134.527,75.727 134.748,75.506 v1(134.748,75.438) ; C10.2@137.693,67.716 137.693,68.58 ; R6.2@137.693,69.375 137.693,68.58
PA_EN: U3.14
PA_HGM: U3.13
PA_PAEN: U3.15
RLY3: R1.2 U3.17 | length 25.6
  Top Layer w0.254: R1.2@129.54,96.418 v1@131.293,96.418
  Bottom Layer w0.254: U3.17 128.686,75.727 129.184,76.225 129.184,92.329 131.318,94.463 v1(131.318,96.393)
RX: J5.3A R2.1 | length 20.8
  Top Layer w0.254: v1(142.367,86.868) v1@142.367,94.59
  Bottom Layer w0.254: R2.1@137.693,77.667 137.693,81.89 142.367,86.563 v1(142.367,86.868) ; J5.3A v1@142.392,94.615
  other v1: 142.392,94.59
SWIM: J7.2 U3.18 | length 9.7
  Bottom Layer w0.3: J7.2 126.06,69.469 124.46,71.069 124.46,75.844 124.993,76.377 U3.18
T_KEY: R5.2 S1.1 S1.3 U3.5 | length 59.5
  Top Layer w0.254: v1(141.376,104.826) 141.376,108.479 ; R5.2@144.374,107.563 144.374,108.128 143.942,108.56 141.423,108.56 139.934,108.56 139.526,108.968 S1.3 S1.1@145.966,112.343
  Bottom Layer w0.254: U3.5 131.566,75.077 131.267,75.376 131.267,93.243 132.029,94.005 132.029,103.2 133.655,104.826 v1@141.503,104.826
TX: J5.4A R3.1 | length 20.4
  Bottom Layer w0.254: R3.1@137.973,76.022 138.583,76.022 138.887,76.326 138.887,82.144 142.998,86.254 142.998,87.71 142.519,88.189 142.519,91.599 142.043,92.075 J5.4A
Z-RST: J5.1B J6.2 U3.1 | length 65.3
  Top Layer w0.254: v1(132.715,99.746) v1(134.874,99.746) ; v1(141.707,102.972) 142.011,103.276 v1(142.011,106.655)
  Bottom Layer w0.254: v1(132.715,99.746) 132.715,90.195 132.664,90.145 133.21,89.598 134.226,89.598 134.747,89.078 134.747,78.08 134.345,77.677 U3.1 ; J5.1B 136.525,99.746 v1(134.874,99.746) 134.874,102.184 135.636,102.946 139.7,102.946 140.03,102.616 141.351,102.616 v1(141.707,102.972) ; J6.2 138.836,122.326 141.91,119.253 141.91,111.557 139.268,108.915 139.268,107.29 139.903,106.655 v1(142.011,106.655)
  Bottom Layer w0.3: U3.1@133.045,77.677 U3.1
Zigbee-DC: J5.5B J6.4 | length 52.8
  Bottom Layer w0.3: J5.5B 135.128,89.535 133.401,91.262 133.401,103.099 134.442,104.14 143.002,104.14 144.297,105.435 145.974,105.435 148.057,107.518 148.057,121.971 147.422,122.606 144.501,122.606 143.916,123.19 J6.4
Zigbee-DD: J5.4B J6.3 | length 42.5
  Top Layer w0.254: v1(140.741,103.454) v1(140.741,107.823)
  Bottom Layer w0.254: v1@140.792,107.823 140.792,108.763 142.926,110.896 142.926,121.336 141.376,122.885 J6.3
  Bottom Layer w0.3: J5.4B 134.696,92.075 133.985,92.786 133.985,102.438 135.052,103.505 v1@140.767,103.505
Zigbee-RX1: R2.2 U3.2 | length 3.7
  Bottom Layer w0.254: U3.2 134.736,77.027 135.376,77.667 R2.2@136.423,77.667
  Bottom Layer w0.3: U3.2@132.969,77.027 U3.2
Zigbee-TX1: R3.2 U3.3 | length 3.7
  Bottom Layer w0.254: U3.3 134.748,76.377 135.103,76.022 R3.2@136.449,76.022
  Bottom Layer w0.3: U3.3@132.918,76.377 U3.3
pads on no net: J2.2 J2.3 J5.2A J5.2B J5.3B U3.6 U3.10 U3.11 U3.12 U3.16

## Polygon pours and split planes (outlines as drawn)
GND on Top Layer "Top Layer-GND" (solid, remove dead copper, pour order 0): 120.523,66.65 120.523,69.288 123.749,72.514 123.749,79.578 125.451,81.28 125.451,100.482 126.949,101.981 137.947,101.981 138.659,102.692 138.659,120.358 137.858,121.158 136.323,121.158 134.645,122.836 134.645,127 135.103,127.457 149.352,127.457 149.352,66.319 149.149,66.116
GND on Bottom Layer "Bottom Layer-GND" (solid, remove dead copper, pour order 2): 120.498,66.853 120.498,69.215 123.774,72.492 123.774,80.137 125.07,81.432 125.07,101.829 125.806,102.565 136.246,102.565 138.76,105.08 138.76,120.523 137.744,121.539 136.169,121.539 134.645,123.063 134.645,126.568 134.696,126.619 148.463,126.619 148.514,126.568 148.514,66.751 148.61,66.655

## Keep-outs
Bottom Overlay:
  lines w0.008: 106.895,79.018 110.378,79.018
Keep-Out Layer:
  circle w0.013: c94.91,73.755 r1
  circle w0.013: c94.91,106.704 r1
  circle w0.013: c146.11,86.755 r1
  lines w0.013: 92.41,126.855 148.61,126.855 ; 92.41,126.855 148.61,126.855 ; 92.41,126.855 92.41,105.921 ccw(c92.91,105.921) 92.827,105.428 cw(c91.91,100.005) 97.41,100.005 97.41,93.505 cw(c91.91,93.505) 92.827,88.082 ccw(c92.91,87.589) 92.41,87.589 92.41,66.655 148.61,66.655 148.61,87.589 ccw(c148.11,87.589) 148.194,88.082 cw(c149.11,93.505) 143.61,93.505 143.61,100.005 cw(c149.11,100.005) 148.194,105.428 ccw(c148.11,105.921) 148.61,105.921 148.61,126.855
  lines w0.02: 99.619,91.821 99.847,91.592 100.787,91.592 101.016,91.821 101.016,97.688 107.086,103.759 107.086,110.744 106.883,110.947 106.121,110.947 106.02,110.846 106.02,109.499 105.131,108.61 105.131,103.937 101.168,99.974 99.619,98.425 99.619,91.821 ; 102.184,121.336 104.673,118.847 105.766,118.847 106.172,119.253 106.172,120.599 104.902,121.869 104.902,125.273 104.445,125.73 102.718,125.73 102.413,125.425 102.184,125.197 102.184,121.336 ; 110.515,95.529 110.744,95.301 111.379,95.301 111.608,95.529 111.608,104.318 111.303,104.623 110.836,104.623 110.515,104.345 110.515,95.529 ; 111.303,113.906 111.442,113.767 112.535,113.767 112.674,113.906 112.674,119.482 115.291,122.098 115.291,125.197 115.062,125.425 114.757,125.73 113.233,125.73 112.674,125.171 112.674,121.514 111.303,120.142 111.303,113.906
  lines w0.1: 108.253,68.914 ccw(c109.001,68.977) 109.75,68.91 109.75,74.495 ccw(c109.001,74.431) 108.253,74.498 108.253,68.914 ; 118.653,69.928 ccw(c119.228,69.444) 119.709,68.867 123.491,72.649 123.491,80.057 ccw(c122.743,79.994) 121.994,80.061 121.994,73.269 118.653,69.928

## Other copper
Top Layer:
  region net NetJ4_3: 129.134,109.271 130.014,110.151 131.902,110.151 131.902,106.154 131.877,106.128 130.449,106.128 130.404,106.083 129.134,107.353
  region net NetJ1_2: 113.665,117.79 113.665,119.177 114.529,120.04 116.129,120.04 116.865,120.777 116.865,125.908 117.348,126.39 123.19,126.39 123.952,125.628 123.952,117.452 119.151,116.535 114.757,116.535 114.071,117.221
  region net NetJ1_2: 118.745,118.32 118.745,81.788 112.598,71.958 112.598,70.231 114.681,68.478 116.586,68.936 121.412,77.364 121.412,114.433 123.952,117.5 123.063,118.745
  region net NetJ1_1: 97.511,76.987 97.511,73.177 100.66,68.402 104.089,68.402 105.512,69.825 105.512,72.612 99.263,80.729 99.263,98.882 104.572,104.191 104.572,111.023 103.734,111.862 98.146,111.862 97.384,111.1 97.384,108.864 97.511,108.737
  region net NetJ4_3: 130.404,107.01 130.404,105.156 130.683,104.877 135.255,104.877 135.712,105.334 135.712,107.721 134.976,107.721 134.95,107.696 134.518,107.696 134.341,107.518 134.341,105.639 134.087,105.385 132.131,105.385 131.902,105.613 131.902,107.047
  region net NetJ1_2: 113.665,117.79 113.665,119.177 114.503,120.015 116.103,120.015 116.865,120.777 116.865,125.908 117.348,126.39 123.19,126.39 123.952,125.628 123.952,119.076 122.021,117.145 114.148,117.145 114.071,117.221
Bottom Layer:
  region net NetJ4_3: 93.65,125.273 93.65,120.625 95.733,118.542 99.797,118.542 103.124,115.214 107.036,115.214 107.696,114.554 107.696,99.06 106.528,97.892 101.956,97.892 101.295,97.231 101.295,95.047 101.879,94.463 103.835,94.463 104.572,95.199 108.56,95.199 110.134,96.774 110.134,106.07 111.595,107.531 128.943,107.531 130.708,105.766 131.902,105.766 131.902,110.16 130.031,110.16 129.142,109.271 111.633,109.271 110.134,110.769 110.134,116.332 108.636,117.831 104.419,117.831 101.295,120.955 101.295,125.171 100.203,126.263 94.64,126.263
  region net NetJ1_1: 97.511,76.987 97.511,74.981 101.302,68.402 104.089,68.402 105.512,69.825 105.112,72.212 99.263,80.729 99.263,98.882 104.597,104.216 104.597,110.675 103.41,111.862 98.146,111.862 97.384,111.1 97.384,108.864 97.511,108.737

## Silkscreen, mask and mechanical layers (free items; w line width, h text height)
Top Overlay:
  drawing of 5094 lines, arcs and shapes, not listed
  text "3V3" at 134.747,121.615 h1.5
  text "RST" at 137.668,121.615 h1.5
  text "DD" at 140.716,121.603 h1.5
  text "DC" at 143.255,121.615 h1.5
  text "GND" at 145.415,121.615 h1.5
  text "PE" at 107.975,119.532 h2
  text "L" at 120.015,119.532 h2
  text "N" at 96.774,119.507 h2
  text "L" at 128.194,113.132 h2
  text "N" at 128.194,107.163 h2
  text "GND" at 129.21,71.069 h1.2 r90
  text "3V3" at 124.536,71.044 h1.2 r90
  text "SWIM" at 126.644,71.044 h1.2 r90
  text "NRST" at 131.801,70.993 h1.2 r90
Bottom Overlay:
  drawing of 981 lines, arcs and shapes, not listed
  text "86型ZigBee智能插座板" at 110.754,116.158 h2
  text "GS-86B-GXO03-V2.1" at 110.754,113.922 h2
  text "56.9x60.9x1.6 mm" at 110.754,112.042 h2
  text "190607" at 102.108,84.049 h1.5
  text "5V      G" at 147.295,79.07 h2 r90
  text "国顺教育" at 113.132,76.149 h2.4
Mechanical 1:
  circle w0.013: c120.51,123.855 r2
  circle w0.013: c109.01,123.855 r2
  circle w0.013: c109.01,123.855 r2
  circle w0.013: c97.51,123.855 r2
  circle w0.013: c94.91,106.704 r2
  circle w0.013: c94.91,73.755 r2
  circle w0.013: c146.11,86.755 r2
  circle w0.013: c142.914,114.544 r4
  rectangle: 138.014,86.868 139.014,102.311
  lines w0.013: 91.91,127.355 91.91,104.255 cw(c91.91,99.255) 96.91,99.255 96.91,94.255 cw(c91.91,94.255) 91.91,89.255 91.91,66.155 149.11,66.155 149.11,89.255 cw(c149.11,94.255) 144.11,94.255 144.11,99.255 cw(c149.11,99.255) 149.11,104.255 149.11,127.355 ; 91.91,127.355 149.11,127.355 ; 91.91,127.355 149.11,127.355 ; 103.41,110.455 103.41,117.855 ; 103.41,110.455 101.41,110.455 101.41,111.455 99.01,111.455 cw(c99.01,114.155) 99.01,116.855 101.41,116.855 101.41,117.855 103.41,117.855 ; 103.41,110.455 103.41,117.855 ; 114.61,110.455 114.61,117.855 ; 114.61,110.455 116.61,110.455 116.61,111.455 119.01,111.455 ccw(c119.01,114.155) 119.01,116.855 116.61,116.855 116.61,117.855 114.61,117.855 ; 114.61,110.455 114.61,117.855 ; 97.92,75.835 102.25,78.335 106.5,70.974 102.17,68.474 97.92,75.835 ; 106.51,83.405 106.51,91.905 111.51,91.905 111.51,83.405 106.51,83.405 ; 111.52,70.974 115.77,78.335 120.1,75.835 115.85,68.474 111.52,70.974 ; 140.41,68.155 145.41,68.155 145.41,80.555 140.41,80.555 140.41,68.155
  lines w0.1: 132.325,80.821 132.325,88.235 cw(c132.975,88.235) 133.625,88.235 133.625,80.821 ; 132.325,80.823 ccw(c132.975,80.823) 133.625,80.823 ; 132.325,115.081 cw(c132.975,115.081) 133.625,115.081 ; 132.325,115.083 132.325,112.014 ccw(c132.975,112.014) 133.625,112.014 133.625,115.083 ; 137.897,90.246 137.897,101.144 139.116,101.144 139.116,90.246 ; 132.325,106.528 ccw(c132.975,106.528) 133.625,106.528 133.625,109.545 ccw(c132.975,109.545) 132.325,109.545 132.325,106.528
Mechanical 2:
  circle w0.006: c145.41,68.155 r0.003
  circle w0.006: c145.41,80.555 r0.003
  circle w0.006: c145.41,68.155 r0.003
  circle w0.006: c140.41,68.155 r0.003
  lines w0.1: 134.95,91.694 138.405,91.694 138.43,91.719 ; 136.474,90.348 136.474,92.913
  text "V2.0修改" at 181.356,132.903 h1.52
  text "1. 调整电路板的边框" at 183.106,130.403 h1.52
  text "制板说明：" at 94.379,51.384 h1.52
  text "1. 电路板边框依KeepOut层" at 96.106,49.403 h1.52
Mechanical 7:
  lines w0.02: 98.222,94.564 99.009,94.564 ; 98.552,94.564 98.552,94.92 ; 105.868,70.936 105.944,70.936 ; 105.944,70.86 105.944,70.936 ; 105.944,71.013 105.944,70.936 ; 111.963,70.866 111.963,70.942 ; 111.963,71.018 111.963,70.942 ; 112.039,70.942 111.963,70.942
Mechanical 15:
  rectangle: 138.014,83.845 140.514,105.181
  lines w0.2: 91.914,121.158 125.914,121.158 125.914,66.158 ; 92.253,82.652 125.914,82.652
Mechanical 16:
  drawing of 3772 lines, arcs and shapes, not listed
  text "1" at 51.655,175.589 h1.78
  text "2" at 124.299,175.589 h1.78
  text "3" at 197.451,175.589 h1.78
  text "4" at 270.349,175.589 h1.78
  text "A" at 17.314,152.577 h1.78
  text "A" at 304.334,152.577 h1.78
  text "B" at 17.314,104.52 h1.78
  text "B" at 304.334,104.52 h1.78
  text "C" at 17.314,56.006 h1.78
  text "C" at 304.334,56.006 h1.78
  text "PCB制板工艺" at 236.237,14.927 h3
  text "GS-86B-GXO03" at 167.276,13.784 h3.5
  text "56.9 x 60.9" at 224.172,11.879 h2
  text "（厂商编号请放置B-Silk层或指定位置）" at 241.757,11.887 h1.5
  text "板子大小" at 215.105,11.854 h2
  text "（mm）" at 235.983,11.752 h2
  text "86型ZigBee智能插座板" at 167.175,9.39 h3.5
  text "☆0.8" at 224.675,8.998 h2
  text "☆1.2" at 241.504,8.948 h2
  text "☆1.0" at 232.995,8.923 h2
  text "板子厚度" at 215.105,8.895 h2
  text "★1.6" at 250.873,8.848 h2
  text "☆2.0" at 259.981,8.744 h2
  text "D" at 17.314,8 h1.78
  text "D" at 304.334,8 h1.78
  text "☆1" at 224.675,5.996 h2
  text "mm" at 259.682,5.973 h2
  text "V2.1" at 175.963,5.91 h2
  text "日  期：" at 191.457,5.9 h2
  text "2019－06－17" at 200.55,5.91 h2
  text "★2" at 232.995,5.921 h2
  text "版  本：" at 166.108,5.885 h2
  text "板子层数" at 215.105,5.892 h2
  text "0.3" at 251.096,5.859 h2
  text "最小过孔" at 241.504,5.81 h2
  text "项目名称：" at 166.108,3.167 h2
  text "★单片" at 224.675,3.133 h2
  text "☆连片" at 232.995,3.141 h2
  text "5" at 251.3,3.142 h2
  text "mil" at 259.682,3.142 h2
  text "实训室智能化管理系统" at 175.963,3.116 h2
  text "交货形式" at 215.105,3.118 h2
  text "最小线宽" at 241.504,3.118 h2
  text "☆黑色" at 250.919,0.348 h2
  text "☆白色" at 259.981,0.348 h2
  text "设计组：" at 166.108,0.322 h2
  text "智能实训室产品部" at 175.963,0.322 h2
  text "★绿色" at 224.675,0.299 h2
  text "☆红色" at 232.995,0.299 h2
  text "☆蓝色" at 241.504,0.299 h2
  text "阻焊颜色" at 215.105,0.222 h2
  text "深圳市国顺教育科技" at 269.892,-0.44 h3
  text "☆黑色" at 224.675,-2.693 h2
  text "★白色" at 232.995,-2.709 h2
  text "李剑平" at 175.963,-2.726 h2
  text "李剑平" at 200.55,-2.726 h2
  text "字符颜色" at 215.105,-2.724 h2
  text "特殊工艺" at 241.334,-2.718 h2
  text "无" at 250.427,-2.718 h2
  text "设  计：" at 166.108,-2.745 h2
  text "绘  图：" at 191.533,-2.761 h2
  text "有限公司" at 269.892,-3.488 h3
  text "焊盘喷锡" at 215.105,-5.418 h2
  text "批  准：" at 191.533,-5.469 h2
  text "★有铅" at 224.624,-5.477 h2
  text "☆无铅" at 232.995,-5.477 h2
  text "☆沉金" at 241.504,-5.462 h2
  text "检  查：" at 166.108,-5.494 h2
  text "杨青" at 175.963,-5.52 h2
  text "杨青" at 200.55,-5.52 h2
  text "中国广东省深圳市南山区桃源街道" at 270.156,-6.099 h2
  text "SCH编号：" at 166.268,-8.138 h2
  text "打印日期：" at 191.618,-8.162 h2
  text "阻焊覆盖" at 215.105,-8.212 h2
  text "★过孔盖油" at 224.624,-8.271 h2
  text "☆过孔开窗" at 241.504,-8.263 h2
  text "190607" at 176.124,-8.289 h2.2
  text ".PRINT_DATE" at 201.32,-8.286 h2.5
  text "南山智园A4栋1208" at 270.206,-8.393 h2
  text "1" at 51.655,-12.371 h1.78
  text "2" at 124.299,-12.371 h1.78
  text "3" at 197.451,-12.371 h1.78
  text "4" at 270.349,-12.371 h1.78

## Dimensions
148.463,66.294 to 148.971,127.203 on Mechanical 2
92.024,66.396 to 148.971,66.37 on Mechanical 2

## Text inside footprints (layer, text, board x,y; h text height)
J4: Mechanical 2 "Inner edge of shell" at 122.337,125.4 h1.52
J5: Mechanical 2 "PCB 1.0mm" at 138.989,91.619 h1 r90